# Altium PCB 一体板.PcbDoc (part 3 of 3)
Units mm, origin at the board's own origin, x right, y up, seen from the top; angles counter-clockwise.
Board outline 89.79 x 81.41 mm, 2 copper layers (Top Layer, Bottom Layer); 139 components, 96 nets, 464 pads, 108 vias.
Unrouted connection lines stored in the file: 2.
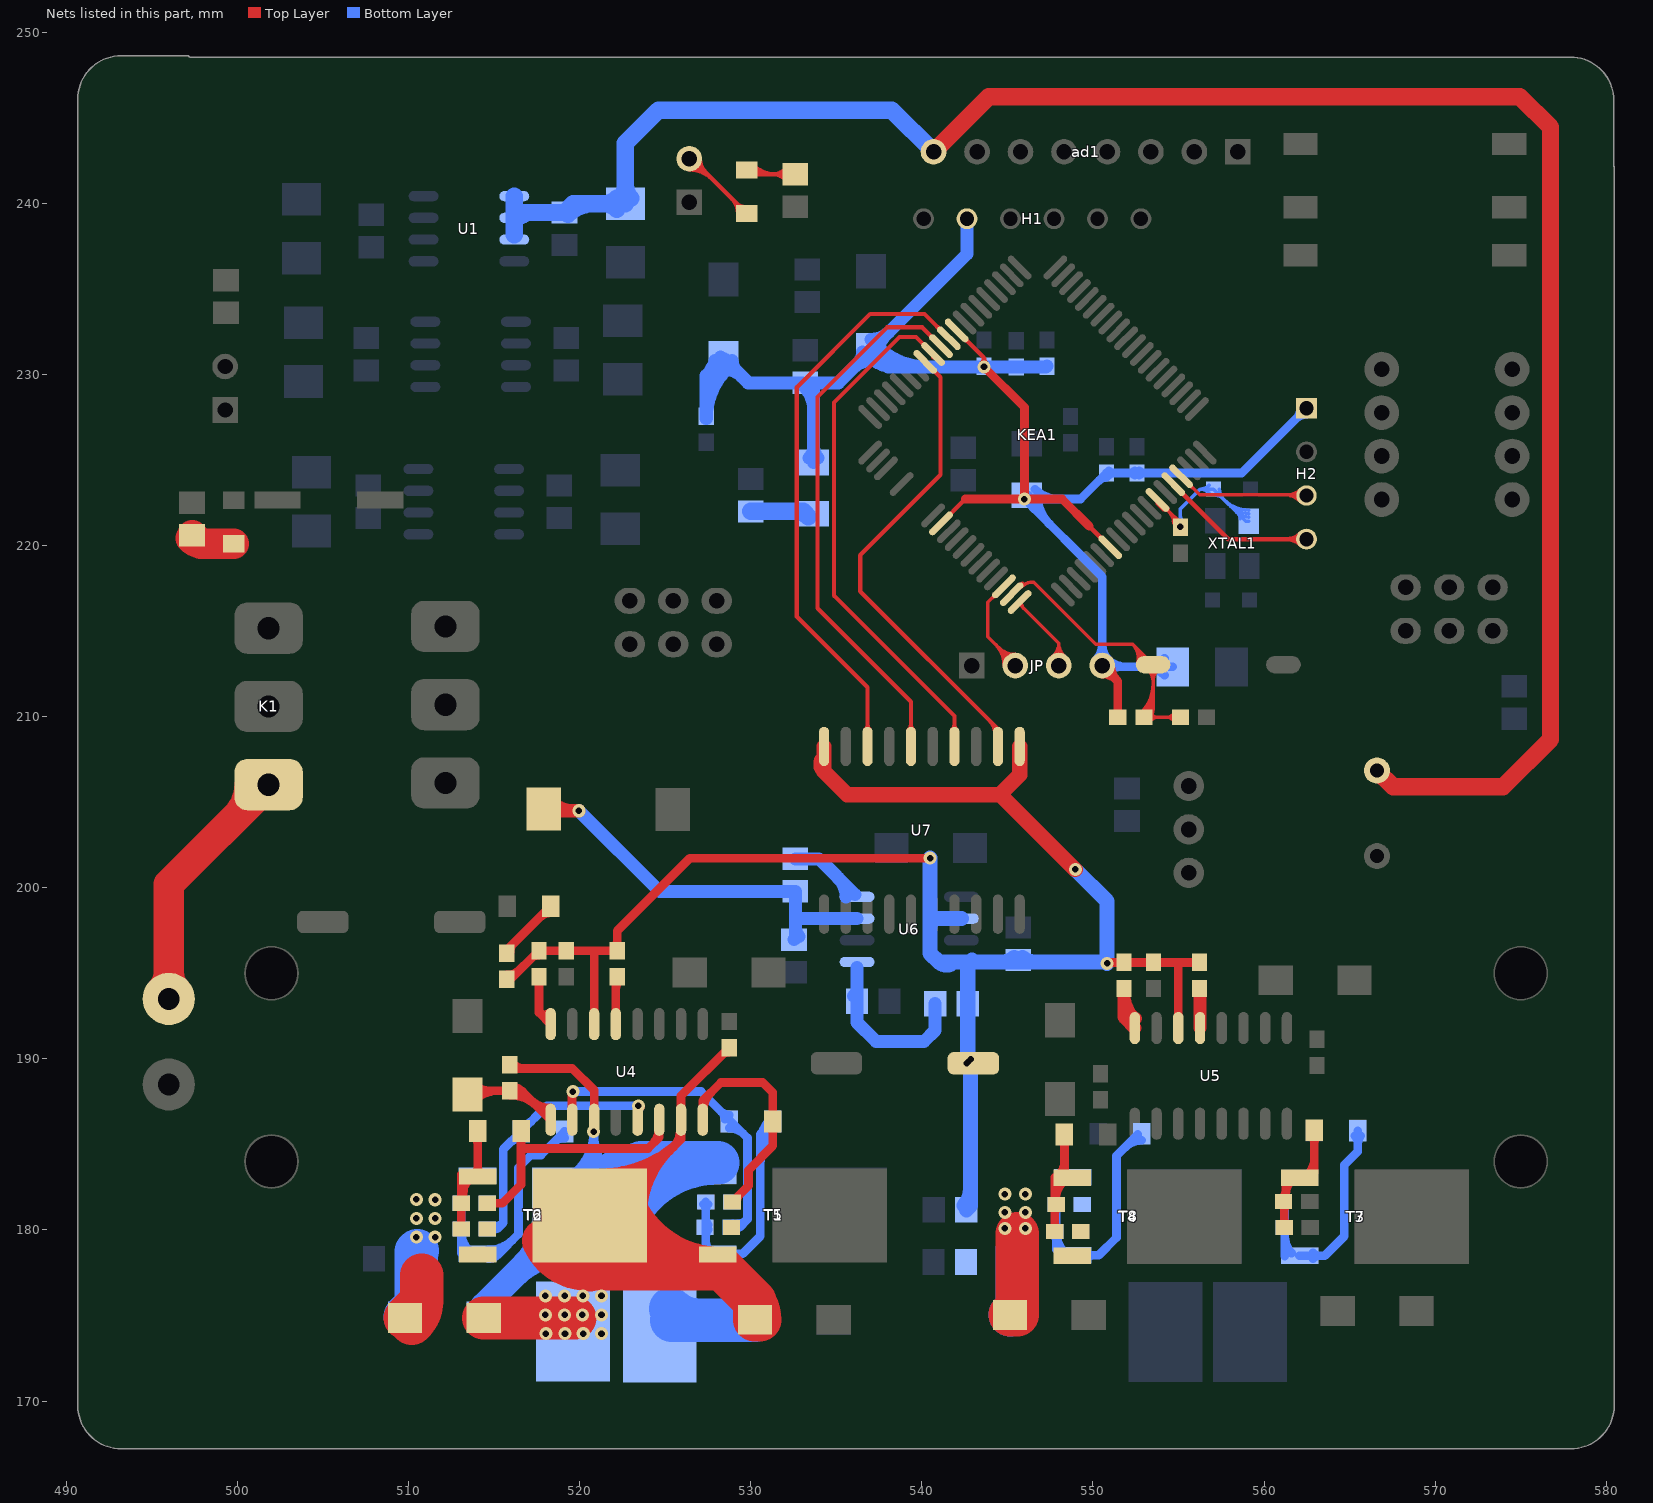
[diagram p3: the nets of this part, all layers, seen from the top]

## Via types
v1: diameter 0.762, hole 0.381, Top Layer to Bottom Layer, 106 vias
v2: diameter 0.9, hole 0.9, Top Layer to Bottom Layer, 2 vias

## Nets (pads, with @x,y where several pads share a name; then routed paths per layer and width w, separated by ;. In a path a pad name is that pad's centre, name@x,y a point inside that pad or via, vN(x,y) a via of type N, cw(c..) or ccw(c..) an arc to the next point about the centre after c; other vN are vias at no path point) (continued)
NetD8_2: D8.2 R16.1 R18.2 T2.1 | length 11.8
  Top Layer w0.508: R18.2@512.945,180.195 ccw(c512.62,180.521) 513.08,180.521 ccw(c513.54,180.521) R18.2@513.215,180.195 ; R16.1@512.945,181.424 cw(c512.62,181.099) 513.08,181.099 cw(c513.54,181.099) R16.1@513.215,181.424 ; R16.1@512.945,181.694 ccw(c512.62,182.019) 513.08,182.019 ccw(c513.54,182.019) R16.1@513.215,181.694 ; R18.2@513.08,180.061 R16.1@513.08,181.559 T2.1@513.08,183.261 ; R16.1@513.08,181.769 cw(c514.781,181.769) T2.1@513.578,182.972 ; 513.223,182.303 ccw(c514.049,182.082) R16.1@513.308,181.654 ; D8.2@513.866,185.469 cw(c513.432,185.035) 514.045,185.035 cw(c514.658,185.035) D8.2@514.225,185.469 ; T2.1@513.891,183.284 ccw(c513.517,183.658) 514.045,183.658 ; T2.1@514.045,183.13 D8.2@514.045,185.776 ; 514.045,183.665 ccw(c514.584,183.665) T2.1@514.203,183.284
NetD10_2: D10.2 R19.1 R21.2 T3.1 | length 10.1
  Top Layer w0.508: R21.2@561.053,180.272 ccw(c560.728,180.597) 561.188,180.597 ccw(c561.648,180.597) R21.2@561.322,180.272 ; R19.1@561.066,181.796 ccw(c560.587,182.274) 561.264,182.274 ; R21.2@561.188,180.137 R19.1@561.188,181.661 ; 561.188,181.17 cw(c561.691,181.17) R19.1@561.335,181.526 ; R19.1@561.264,181.635 T3.1@561.264,183.159 ; R19.1@561.264,182.061 cw(c562.444,182.061) T3.1@561.609,182.896 ; T3.1@562.547,183.208 ccw(c561.597,184.158) 562.94,184.158 ; D10.2@562.761,185.52 cw(c562.327,185.086) 562.94,185.086 cw(c563.553,185.086) D10.2@563.12,185.52 ; T3.1@562.94,183.337 D10.2@562.94,185.826
NetD11_2: D11.2 R20.1 R22.2 T4.1 | length 10
  Top Layer w0.508: R22.2@547.642,180.043 ccw(c547.316,180.368) 547.776,180.368 ccw(c548.236,180.368) R22.2@547.911,180.043 ; R22.2@547.776,179.908 T4.1@547.776,183.083 ; 547.776,180.992 cw(c548.28,180.992) R20.1@547.924,181.348 ; R20.1@547.776,181.57 cw(c549.65,181.57) T4.1@548.325,182.896 ; 547.776,181.974 ccw(c548.28,181.974) R20.1@547.924,181.618 ; T4.1@548.013,183.208 ccw(c547.234,183.987) 548.335,183.987 ; D11.2@548.156,185.266 cw(c547.722,184.832) 548.335,184.832 cw(c548.948,184.832) D11.2@548.515,185.266 ; T4.1@548.335,183.511 D11.2@548.335,185.572
NetD16_2: D16.2 R26.1 R28.2 T5.1 | length 20.5
  Bottom Layer w0.508: R28.2@527.245,181.501 cw(c526.92,181.175) 527.38,181.175 cw(c527.84,181.175) R28.2@527.515,181.501 ; T5.1@527.38,178.74 R28.2@527.38,181.635 ; 527.38,179.322 ccw(c528.172,179.322) T5.1@527.612,178.762 ; 527.38,179.672 cw(c527.883,179.672) R26.1@527.528,180.027 ; 527.38,180.653 ccw(c527.883,180.653) R26.1@527.528,180.297 ; T5.1@528.081,178.606 529.532,178.606 530.555,179.629 530.555,185.598 D16.2@531.292,186.334 ; T5.1@528.862,178.45 cw(c529.239,178.072) 529.239,178.606 cw(c529.239,179.139) T5.1@528.862,178.762 ; 530.555,183.816 cw(c533.683,183.816) D16.2@531.471,186.028 ; 530.555,185.042 cw(c532.457,185.042) D16.2@531.112,186.387 ; 530.641,185.684 cw(c531.292,185.034) D16.2@531.292,185.953
NetD17_2: D17.2 R27.1 R29.2 T6.1 | length 20.5
  Bottom Layer w0.508: R27.1@512.945,179.926 cw(c512.62,179.601) 513.08,179.601 cw(c513.54,179.601) R27.1@513.215,179.926 ; R27.1@512.945,180.195 ccw(c512.62,180.521) 513.08,180.521 ccw(c513.54,180.521) R27.1@513.215,180.195 ; R29.2@512.945,181.424 cw(c512.62,181.099) 513.08,181.099 cw(c513.54,181.099) R29.2@513.215,181.424 ; T6.1@513.08,178.638 R27.1@513.08,180.061 R29.2@513.08,181.559 ; R27.1@513.08,179.936 ccw(c514.739,179.936) T6.1@513.566,178.763 ; T6.1@514.035,178.606 515.283,178.606 516.433,179.756 516.433,183.642 517.169,184.379 517.754,184.379 D17.2@519.125,185.75 ; T6.1@514.66,178.319 ccw(c514.66,179.132) 515.235,178.558 ; T6.1@514.66,178.827 ccw(c514.66,180.867) 516.102,179.425 ; T6.1@514.816,178.45 cw(c515.193,178.073) 515.193,178.606 cw(c515.193,179.14) T6.1@514.816,178.763 ; 518.475,185.1 cw(c519.125,184.449) D17.2@519.125,185.369
NetD18_2: D18.2 R30.1 R33.2 T7.1 | length 16.9
  Bottom Layer w0.508: R30.1@561.053,180.002 cw(c560.666,179.616) 561.213,179.616 ; R30.1@561.053,180.272 ccw(c560.666,180.658) 561.213,180.658 ; R33.2@561.066,181.526 cw(c560.71,181.17) 561.213,181.17 ; T7.1@561.213,178.46 R33.2@561.213,181.635 ; 561.213,179.605 ccw(c562.567,179.605) T7.1@561.609,178.648 ; T7.1@562.078,178.492 563.556,178.492 564.693,179.629 564.693,183.794 565.48,184.582 D18.2@565.48,185.801 ; T7.1@562.859,178.336 cw(c563.237,177.958) 563.237,178.492 cw(c563.237,179.025) T7.1@562.859,178.648 ; D18.2@565.301,185.494 cw(c564.867,185.061) 565.48,185.061 cw(c566.093,185.061) D18.2@565.66,185.494
NetD19_2: D19.2 R31.1 R34.2 T8.1 | length 16.9
  Bottom Layer w0.508: R31.1@547.705,179.773 cw(c547.349,179.418) 547.853,179.418 ; R31.1@547.705,180.043 ccw(c547.349,180.399) 547.853,180.399 ; R34.2@547.718,181.348 cw(c547.393,181.023) 547.853,181.023 cw(c548.313,181.023) R34.2@547.987,181.348 ; T8.1@547.853,178.841 R34.2@547.853,181.483 ; R31.1@547.853,179.876 ccw(c549.553,179.876) T8.1@548.351,178.673 ; T8.1@548.819,178.517 550.348,178.517 551.383,179.553 551.383,184.328 D19.2@552.628,185.572 ; T8.1@549.601,178.361 cw(c549.978,177.984) 549.978,178.517 cw(c549.978,179.051) T8.1@549.601,178.673 ; 551.902,184.847 cw(c552.856,183.893) D19.2@552.856,185.242
NetF1_1: F1.1 L2.1 | length 4.6
  Bottom Layer w0.254: L2.1@533.222,221.844 L2.1@533.679,221.844
  Bottom Layer w1.016: F1.1@529.996,221.986 533.08,221.986 L2.1@533.222,221.844 ; 532.613,221.986 cw(c532.613,220.916) L2.1@533.369,221.672
NetJP45_2: JP45.2 LED12.2 | length 10
  Top Layer w0.254: JP45.2@526.415,241.972 cw(c526.415,240.1) 527.739,241.424 ; JP45.2@526.415,242.226 cw(c526.415,240.968) 527.305,241.858 ; JP45.2@526.415,242.595 526.567,242.595 LED12.2@529.768,239.395 ; JP45.2@527.038,242.595 ccw(c528.174,242.595) 527.371,241.792 ; 528.901,240.262 cw(c528.033,239.395) LED12.2@529.26,239.395 ; 529.207,239.956 ccw(c529.641,240.389) LED12.2@529.641,239.776 ; LED12.2@529.334,239.829 cw(c528.901,239.395) LED12.2@529.514,239.395
NetK1_1: K1.1 P1.1 | length 18.4
  Top Layer w1.778: P1.1@495.551,193.949 ccw(c494.467,195.033) 496,195.033 ccw(c497.533,195.033) P1.1@496.449,193.949 ; P1.1@496,194.5 496,200.192 K1.1@501.828,206.019 ; 499.931,204.123 ccw(c498.035,206.019) K1.1@500.717,206.019
NetL3_1: L3.1 R9.2 R13.1 U6.7 | length 26.1
  Top Layer w0.762: L3.1@517.906,204.597 518.008,204.495 v1(519.963,204.495) ; L3.1@518.344,204.159 cw(c519.155,203.348) 519.155,204.495 ; L3.1@518.344,205.035 ccw(c519.646,206.337) v1@519.646,204.495
  Bottom Layer w0.762: v1(519.963,204.495) 524.673,199.786 R13.1@532.613,199.786 532.613,197.038 R9.2@532.536,196.962 ; 532.613,197.669 ccw(c533.343,197.669) R9.2@532.827,197.152 ; 532.638,198.196 U6.7@536.219,198.196
NetLED2_2: LED2.2 R32.1 | length 5.1
  Top Layer w0.508: R32.1@515.747,196.164 515.747,196.342 LED2.2@518.312,198.907 ; R32.1@515.938,196.228 cw(c516.673,196.228) 516.153,196.748 ; 517.662,198.257 cw(c518.312,197.607) LED2.2@518.312,198.526
NetLED12_1: 1K.1 LED12.1 | length 7.2
  Top Layer w0.254: LED12.1@529.768,241.935 530.012,241.691 1K.1@532.613,241.691 ; LED12.1@529.985,242.025 ccw(c530.79,242.83) 530.79,241.691 ; LED12.1@530.164,242.204 ccw(c531.403,243.443) 531.403,241.691 ; 1K.1@532.143,241.321 ccw(c531.25,240.429) 531.25,241.691 ccw(c531.25,242.954) 1K.1@532.143,242.061
NetLED\_2: LED\.2 R54.2 | length 3.5
  Top Layer w1.778: R54.2@497.288,220.42 ccw(c498.082,221.214) R54.2@498.082,220.091 ; R54.2@497.357,220.589 497.855,220.091 LED\.2@499.796,220.091
NetR6_2: R6.2 U4.5 | length 3.3
  Top Layer w0.508: U4.5@522.122,192.024 R6.2@522.122,194.716 ; 522.122,194.085 cw(c522.842,194.085) R6.2@522.333,194.594
NetR8_2: R8.2 U4.8 | length 4.5
  Top Layer w0.508: R8.2@517.492,194.594 cw(c517.167,194.269) 517.627,194.269 cw(c518.087,194.269) R8.2@517.761,194.594 ; R8.2@517.627,194.767 517.627,192.71 ; U4.8@518.278,192.696 cw(c517.959,193.042) 517.627,192.71 ; U4.8@518.312,192.024 517.627,192.71
NetR10_2: R10.2 U5.5 | length 2.3
  Top Layer w0.762: R10.2@556.235,194.107 556.26,194.081 U5.5@556.26,191.795
NetR11_2: R11.2 R12.2 U6.5 | length 10.6
  Bottom Layer w0.762: R11.2@536.019,193.66 ccw(c535.535,194.144) 536.219,194.144 ; R11.2@536.209,193.37 536.209,192.136 537.337,191.008 540.131,191.008 540.781,191.658 R12.2@540.781,193.218 ; R11.2@536.219,193.38 536.219,195.326
NetR13_2: R13.2 U6.8 | length 5.6
  Bottom Layer w0.762: R13.2@532.613,201.686 533.999,201.686 U6.8@536.092,199.593 ; 535.135,200.55 cw(c534.051,199.466) U6.8@535.584,199.466
NetR14_2: R14.2 U5.8 | length 4.9
  Top Layer w0.762: R14.2@551.815,193.779 ccw(c553.799,193.779) U5.8@552.396,192.377 ; R14.2@551.815,194.107 551.815,192.43 ; U5.8@552.45,191.795 551.815,192.43 ; U5.8@552.493,192.368 cw(c552.192,192.807) 551.815,192.43
PGND1: D15.1 D23.1 R22.1 R25.2 R34.1 T4.3 T8.3 | length 9.2
  Top Layer w2.54: D15.1@545.16,175.031 545.592,175.031 545.592,179.781
  Bottom Layer w2.54: D23.1@545.16,175.031 545.592,175.463 545.592,178.867
  other v1: 544.855,180.086 546.049,180.086 544.855,181.026 546.049,181.026 544.855,182.093 546.049,182.093
PGND2: D13.1 D21.1 R18.1 R23.2 R29.1 T2.3 T6.3 | length 10
  Top Layer w2.54: D13.1@509.803,174.854 510.769,175.819 ; D13.1@510.185,174.553 ccw(c509.105,175.819) 510.769,175.819 ; D13.1@510.208,174.574 ccw(c508.854,175.928) 510.769,175.928 ; 510.769,177.343 510.769,175.819
  Bottom Layer w2.54: D21.1@509.803,174.93 510.464,175.59 510.464,178.74 R23.2@510.515,178.791
  other v1: 510.464,179.578 511.556,179.578 510.464,180.67 511.556,180.67 511.556,181.762 510.464,181.788
R_AHB: C18.1 D5.2 U4.9 | length 13.4
  Top Layer w0.508: D5.2@513.692,188.138 C18.1@515.925,188.138 516.611,188.138 U4.9@518.312,186.436 ; D5.2@513.9,187.592 cw(c515.217,186.276) 515.217,188.138 ; D5.2@513.9,188.471 ccw(c514.704,189.274) 514.704,188.138 ; C18.1@515.79,188.003 ccw(c515.465,187.678) 515.465,188.138 ccw(c515.465,188.598) C18.1@515.79,188.273 ; C18.1@515.925,187.884 cw(c515.925,185.615) 517.529,187.219 ; C18.1@515.925,188.392 cw(c515.925,187.349) 516.662,188.086 ; C18.1@516.06,188.003 cw(c516.385,187.678) 516.385,188.138 cw(c516.385,188.598) C18.1@516.06,188.273 ; 517.142,187.607 ccw(c518.312,188.777) U4.9@518.312,187.122 ; U4.9@518.009,186.74 ccw(c518.312,187.043) U4.9@518.312,186.614
R_AHO: D16.1 R26.2 U4.10 | length 22.1
  Top Layer w0.508: U4.10@519.557,186.461 v1@519.557,188.087 ; 519.557,187.658 cw(c520.037,187.658) v1@519.698,187.997
  Bottom Layer w0.508: v1(519.608,188.087) 527.101,188.087 529.819,185.369 529.819,180.619 ; D16.1@528.275,186.913 ccw(c528.752,187.39) D16.1@528.752,186.715 ; D16.1@528.336,186.852 cw(c527.946,186.461) D16.1@528.498,186.461 ; D16.1@528.752,185.953 cw(c528.752,184.788) 529.576,185.612 ; R26.2@528.853,180.162 529.361,180.162 529.819,180.619 ; R26.2@528.951,180.35 ccw(c529.128,181.31) 529.819,180.619
R_AHS: C18.2 D20.1 D21.2 P6.1 R28.1 T5.3 T6.2 U4.11 | length 74.6
  Top Layer w0.508: C18.2@515.95,189.433 519.582,189.433 520.852,188.163 U4.11@520.852,186.436 ; C18.2@516.06,189.733 ccw(c516.783,190.457) 516.783,189.433
  Bottom Layer w0.508: T6.2@519.29,183.021 ccw(c517.635,185.75) v1(520.827,185.75) ; T6.2@519.554,182.586 ccw(c518.182,184.848) 520.827,184.848 ; T6.2@519.817,182.152 ccw(c518.729,183.946) 520.827,183.946 ; T6.2@520.827,181.129 v1(520.827,185.75) ; 520.827,184.654 ccw(c523.777,184.654) T6.2@521.87,182.403 ; T6.2@522.198,182.791 cw(c524.706,185.75) v1(520.827,185.75)
  Bottom Layer w1.524: D21.2@514.403,174.93 514.403,175.567 T6.2@519.722,180.886 ; D21.2@514.641,174.93 cw(c516.755,174.93) 515.261,176.425 ; 516.143,177.307 cw(c519.985,173.466) T6.2@519.985,178.898 ; 516.776,177.94 ccw(c513.83,180.886) T6.2@517.997,180.886
  Bottom Layer w2.54: T6.2@520.214,181.312 cw(c524.206,179.563) 524.206,183.921 ; T6.2@520.585,180.886 520.827,181.129 523.62,183.921 ; T6.2@522.54,180.293 cw(c528.091,177.861) 528.091,183.921 523.62,183.921 ; T6.2@522.652,181.078 cw(c526.024,181.517) 523.619,183.921 ; P6.1@525.316,175.406 ccw(c526.957,177.046) 526.957,174.727 ; P6.1@525.399,174.727 D20.1@530.25,174.727
R_ALO: D17.1 R27.2 U4.13 | length 18.6
  Top Layer w0.508: U4.13@523.392,186.436 U4.13@523.392,187.249 ; U4.13@523.392,186.82 cw(c523.872,186.82) U4.13@523.533,187.159
  Bottom Layer w0.508: R27.2@514.604,180.061 515.188,180.061 515.544,180.416 ; R27.2@514.734,180.239 ccw(c515.001,180.959) 515.544,180.416 ; R27.2@514.802,179.926 cw(c515.127,179.601) 515.127,180.061 cw(c515.127,180.521) R27.2@514.802,180.195 ; 515.935,185.1 cw(c516.585,184.449) D17.1@516.585,185.369 ; D17.1@516.585,186.131 ccw(c516.585,187.051) 517.236,186.401 ; v1(523.443,187.249) 518.084,187.249 D17.1@516.585,185.75 515.544,184.709 515.544,180.416
R_BHO: D7.1 R15.2 U4.16 | length 16.7
  Top Layer w0.508: U4.16@527.202,186.436 527.202,187.554 528.269,188.62 530.708,188.62 531.292,188.036 D7.1@531.292,186.334 531.292,184.912 529.869,183.49 529.869,182.575 R15.2@528.93,181.635 ; U4.16@527.253,187.071 cw(c528.541,187.071) 527.63,187.982 ; R15.2@529.184,181.635 cw(c529.797,181.635) R15.2@529.363,182.069 ; D7.1@531.112,186.028 cw(c530.679,185.594) 531.292,185.594 cw(c531.905,185.594) D7.1@531.471,186.028 ; D7.1@531.112,186.641 ccw(c530.679,187.075) 531.292,187.075 ccw(c531.905,187.075) D7.1@531.471,186.641
R_BHS: C16.2 D12.1 D13.2 P5.1 R17.1 T1.3 T2.2 U4.15 | length 83.3
  Top Layer w0.508: T2.2@521.2,181.82 ccw(c521.21,184.836) T2.2@523.343,182.703 ; T2.2@521.202,182.328 ccw(c521.216,186.557) 524.206,183.566 ; T2.2@521.203,182.836 ccw(c521.222,188.277) 525.069,184.43 ; T2.2@521.205,183.344 ccw(c521.227,189.998) 525.932,185.293 ; T2.2@521.487,180.848 525.932,185.293 ; T2.2@522.677,180.848 cw(c525.548,180.848) T2.2@523.518,182.878 ; T2.2@523.185,180.848 cw(c527.283,180.848) 524.385,183.746 ; T2.2@523.693,180.848 cw(c529.017,180.848) 525.252,184.613 ; 525.486,184.847 ccw(c524.533,185.801) U4.15@525.882,185.801 ; C16.2@528.318,190.219 cw(c528.752,189.785) C16.2@528.752,190.398 ; C16.2@528.752,190.652 525.932,187.833 U4.15@525.932,186.436 525.932,185.293
  Top Layer w2.54: D13.2@514.403,174.854 519.709,174.854 ; T2.2@517.919,179.359 ccw(c520.458,180.512) 520.458,177.724 ; T2.2@519.659,179.703 cw(c518.04,177.724) 520.597,177.724 ; T2.2@520.232,180.41 ccw(c524.402,182.304) 524.402,177.724 ; 520.597,177.667 cw(c522.589,177.667) T2.2@521.79,179.492 ; T2.2@520.597,180.848 520.597,177.724 ; T2.2@521.534,179.703 ccw(c523.154,177.724) 520.597,177.724 ; T2.2@522.544,181.46 ccw(c528.345,184.095) 528.345,177.724 ; 529.957,176.112 cw(c528.597,174.752) D12.1@530.52,174.752 ; D12.1@530.25,174.752 530.25,175.819 528.345,177.724 ; 520.597,177.724 528.345,177.724
  other v1: 518.033,173.939 519.151,173.939 520.217,173.939 521.284,173.939 518.008,175.031 519.125,175.031 520.167,175.031 521.284,175.031 518.008,176.149 519.125,176.149 520.192,176.149 521.284,176.149
R_BLO: D8.1 R16.2 U4.14 | length 17.4
  Top Layer w0.508: R16.2@514.604,181.559 515.493,181.559 516.585,182.651 516.585,184.76 ; R16.2@514.802,181.424 cw(c515.127,181.099) 515.127,181.559 cw(c515.127,182.019) R16.2@514.802,181.694 ; D8.1@516.406,185.469 cw(c515.972,185.035) 516.585,185.035 cw(c517.198,185.035) D8.1@516.765,185.469 ; D8.1@516.585,185.776 516.585,184.76 ; 524.306,185.064 ccw(c523.569,185.801) U4.14@524.612,185.801 ; U4.14@524.662,186.436 524.662,185.42 524.002,184.76 516.585,184.76
RESET: C14.2 K4.1 KEA1.79 R7.1 | length 27.8
  Top Layer w0.203: KEA1.79@545.753,217.744 ccw(c545.753,217.943) 545.894,217.802 ; KEA1.79@545.822,217.576 cw(c546.499,216.899) 546.499,217.856 ; 546.532,217.856 547.44,216.948 549.256,215.132 550.164,214.224 552.323,214.224 ; 552.572,213.974 cw(c551.918,213.32) K4.1@552.812,213.082 ; K4.1@552.616,213.134 ccw(c551.524,213.425) 552.323,214.224 ; R7.1@552.804,210.199 ccw(c551.085,211.919) 553.517,211.919 ; 552.822,213.725 cw(c552.312,213.215) K4.1@553.009,213.03 ; R7.1@552.948,210.055 ccw(c551.575,211.428) 553.517,211.428 ; R7.1@553.092,209.911 ccw(c552.066,210.938) 553.517,210.938 ; K4.1@553.229,212.742 cw(c552.536,212.049) 553.517,212.049 cw(c554.498,212.049) K4.1@553.804,212.742 ; R7.1@553.235,209.768 ccw(c552.556,210.447) 553.517,210.447 ; R7.1@553.289,209.714 cw(c553.875,209.129) 553.875,209.956 cw(c553.875,210.784) R7.1@553.289,210.199 ; C14.2@554.811,209.714 ccw(c554.226,209.129) 554.226,209.956 ccw(c554.226,210.784) C14.2@554.811,210.199 ; C14.2@555.117,209.956 R7.1@552.983,209.956 ccw(c552.983,210.49) 553.517,210.49 K4.1@553.517,213.03 552.323,214.224
RX: H2.3 KEA1.17 | length 11.2
  Top Layer w0.203: KEA1.17@555.154,224.042 556.235,222.961 562.438,222.961 H2.3@562.483,222.916 ; KEA1.17@555.649,223.448 cw(c555.649,223.211) 555.817,223.379 cw(c555.985,223.547) KEA1.17@555.748,223.547 ; 561.178,222.961 cw(c561.178,221.61) H2.3@562.133,222.566 ; 561.397,222.961 ccw(c561.397,224.002) H2.3@562.133,223.266 ; 561.668,222.961 cw(c561.668,222.101) H2.3@562.276,222.709 ; 561.887,222.961 ccw(c561.887,223.511) H2.3@562.276,223.122
SGND: C10.1 C17.1 C20.2 C22.2 R6.1 R8.1 R10.1 R12.1 R14.1 R24.2 R32.2 U4.6 U5.6 U6.2 U6.4 U7.1 U7.10 | length 118.3
  Top Layer w0.508: R32.2@515.747,194.64 515.95,194.64 R8.1@517.627,196.317 C10.1@519.227,196.317 R6.1@522.199,196.317 522.199,197.485 526.44,201.727 v1(540.487,201.727) ; R32.2@515.747,194.894 ccw(c515.747,195.998) 516.527,195.217 ; R8.1@517.193,195.883 cw(c517.627,195.449) R8.1@517.627,196.063 ; R8.1@517.761,196.182 cw(c518.087,195.857) 518.087,196.317 cw(c518.087,196.777) R8.1@517.761,196.451 ; C10.1@519.092,196.182 ccw(c518.767,195.857) 518.767,196.317 ccw(c518.767,196.777) C10.1@519.092,196.451 ; C10.1@519.362,196.182 cw(c519.687,195.857) 519.687,196.317 cw(c519.687,196.777) C10.1@519.362,196.451 ; U4.6@520.852,192.024 520.852,196.291 ; R6.1@522.064,196.182 ccw(c521.739,195.857) 521.739,196.317 ccw(c521.739,196.777) R6.1@522.064,196.451 ; R6.1@522.064,196.515 ccw(c521.739,196.84) 522.199,196.84 ccw(c522.659,196.84) R6.1@522.333,196.515 ; v1(550.824,195.58) 550.875,195.631 R14.1@551.815,195.631 C17.1@553.542,195.631 R10.1@556.235,195.631 ; v1@550.914,195.49 cw(c551.254,195.151) 551.254,195.631 ; R14.1@551.68,195.496 ccw(c551.355,195.171) 551.355,195.631 ccw(c551.355,196.091) R14.1@551.68,195.766 ; R14.1@551.95,195.496 cw(c552.275,195.171) 552.275,195.631 cw(c552.275,196.091) R14.1@551.95,195.766 ; C17.1@553.407,195.496 ccw(c553.082,195.171) 553.082,195.631 ccw(c553.082,196.091) C17.1@553.407,195.766 ; C17.1@553.677,195.496 cw(c554.002,195.171) 554.002,195.631 cw(c554.002,196.091) C17.1@553.677,195.766 ; U5.6@554.99,191.795 554.99,195.555 ; R10.1@556.1,195.496 ccw(c555.775,195.171) 555.775,195.631 ccw(c555.775,196.091) R10.1@556.1,195.766
  Top Layer w0.889: U7.10@534.144,207.402 ccw(c535.295,207.402) 534.481,206.589 ; U7.10@534.156,207.458 ccw(c534.727,207.219) 534.289,206.781 ; U7.10@534.289,208.252 534.289,206.781 ; U7.1@545.719,208.252 545.719,206.578 544.576,205.435 ; v1(548.97,201.066) 548.945,201.066 544.576,205.435 ; 534.289,206.781 535.635,205.435 544.576,205.435
  Bottom Layer w0.889: v1(540.487,201.727) 540.487,197.891 ; 540.802,195.849 ccw(c541.604,196.651) U6.4@541.604,195.516 ; U6.4@541.659,195.528 cw(c541.422,196.083) 540.995,195.656 ; U6.2@542.315,198.196 540.791,198.196 540.487,197.891 ; R24.2@542.46,181.424 ccw(c541.52,182.363) 542.849,182.363 ; R24.2@542.605,181.178 542.849,181.422 v1(542.849,189.967) ; v1(542.62,189.738) v1(542.681,189.799) R12.1@542.681,193.218 U6.4@542.681,195.504 ; v1@542.665,189.783 cw(c542.222,189.339) 542.849,189.339 ; 542.681,195.16 cw(c543.523,195.16) U6.4@542.928,195.755 ; 544.765,195.656 ccw(c544.765,196.551) C20.2@545.397,195.918 ; C20.2@545.888,195.918 ccw(c546.521,196.551) 546.521,195.656 ; v1(548.97,201.066) 550.824,199.212 v1(550.824,195.58) ; v1@550.647,195.707 550.596,195.656 U6.4@542.315,195.656 540.995,195.656 ; 540.487,197.891 540.487,196.164 540.995,195.656
SWD_CLK: JP.2 KEA1.78 | length 10.2
  Top Layer w0.203: KEA1.78@544.205,217.115 cw(c543.967,217.115) 544.135,216.947 cw(c544.303,216.779) KEA1.78@544.303,217.017 ; 544.304,214.216 cw(c543.067,212.979) JP.2@544.817,212.979 ; 544.488,214.032 ccw(c545.465,215.009) JP.2@545.465,213.627 ; 544.651,213.869 cw(c543.761,212.979) JP.2@545.02,212.979 ; KEA1.78@544.798,217.61 543.865,216.677 543.865,214.655 545.465,213.055 JP.2@545.465,212.979 ; 544.835,213.685 ccw(c545.465,214.315) JP.2@545.465,213.424
SWD_DIO: JP.3 KEA1.80 | length 8.1
  Top Layer w0.203: KEA1.80@545.717,216.691 545.717,216.562 548.005,214.274 ; KEA1.80@545.816,216.691 ccw(c546.364,216.691) 545.976,216.303 ; JP.3@547.616,213.498 ccw(c547.035,214.274) 548.005,214.274 ; JP.3@547.738,213.335 ccw(c547.339,213.868) 548.005,213.868 ccw(c548.671,213.868) JP.3@548.272,213.335 ; JP.3@548.005,212.979 548.005,214.274 ; JP.3@548.394,213.498 cw(c548.975,214.274) 548.005,214.274
TPM2_CH1: KEA1.53 U7.2 | length 28.8
  Top Layer w0.254: KEA1.53@540.202,230.727 541.096,229.833 541.096,224.13 536.397,219.431 536.397,217.322 544.449,209.271 U7.2@544.449,208.252 ; 544.035,209.685 cw(c543.452,209.102) U7.2@544.276,209.102
TPM2_CH2: KEA1.52 U7.4 | length 31.7
  Top Layer w0.254: KEA1.52@540.662,230.99 KEA1.52@540.662,231.186 539.667,232.181 538.701,232.181 534.873,228.353 534.873,217.068 541.909,210.033 U7.4@541.909,208.252 ; U7.4@541.787,209.225 ccw(c541.491,209.52) 541.909,209.52 ccw(c542.327,209.52) U7.4@542.031,209.225
TPM2_CH3: KEA1.51 U7.6 | length 32.7
  Top Layer w0.254: U7.6@539.247,209.225 ccw(c538.951,209.52) 539.369,209.52 ccw(c539.787,209.52) U7.6@539.491,209.225 ; U7.6@539.369,208.252 539.369,210.871 533.908,216.332 533.908,228.676 537.972,232.74 540.027,232.74 KEA1.51@541.121,231.646
TPM2_CH4: KEA1.50 U7.8 | length 34.6
  Top Layer w0.254: U7.8@536.707,209.225 ccw(c536.411,209.52) 536.829,209.52 ccw(c537.247,209.52) U7.8@536.951,209.225 ; U7.8@536.829,208.252 536.829,211.709 532.689,215.849 532.689,229.235 536.981,233.528 540.159,233.528 KEA1.50@541.581,232.106
TX: H2.4 KEA1.16 | length 11
  Top Layer w0.254: KEA1.16@554.694,223.581 557.909,220.366 H2.4@562.483,220.366 ; H2.4@562.142,220.025 ccw(c561.318,219.201) 561.318,220.366 ccw(c561.318,221.531) H2.4@562.142,220.707
VDD: C2.1 C6.2 C7.2 C8.2 C11.2 C12.2 C15.2 D1.2 D2.2 H1.2 H2.1 JP.4 KEA1.8 KEA1.49 KEA1.70 L1.2 L2.2 R2.1 R7.2 | length 141.4
  Top Layer w0.254: KEA1.70@541.121,221.287 542.542,222.707 ; KEA1.49@542.04,232.565 543.636,230.969 ; v1@543.474,230.624 ccw(c543.188,230.969) 543.636,230.969 ; v1(543.636,230.429) 543.636,230.969 ; v1@543.798,230.624 cw(c544.085,230.969) 543.636,230.969 ; 549.79,221.114 KEA1.8@551.009,219.896
  Top Layer w0.508: 542.542,222.707 v1(545.998,222.707) ; v1(543.636,230.429) 545.998,228.067 v1(545.998,222.707) ; 549.79,221.114 548.197,222.707 v1(545.998,222.707) ; JP.4@550.545,212.483 cw(c550.545,211.286) 551.392,212.132 cw(c552.238,212.979) JP.4@551.041,212.979 ; JP.4@550.545,212.979 551.459,212.065 R7.2@551.459,209.956 ; R7.2@551.325,210.091 ccw(c550.999,210.416) 551.459,210.416 ccw(c551.919,210.416) R7.2@551.594,210.091
  Bottom Layer w0.203: v1(543.636,230.429) cw(c543.759,230.306) C11.2@543.759,230.48
  Bottom Layer w0.508: L1.2@546.252,222.933 ccw(c547.411,222.933) 546.592,222.114 ; L1.2@546.615,223.284 ccw(c548.007,224.676) 548.007,222.707 ; L1.2@546.76,222.933 ccw(c549.145,222.933) 547.459,221.247 ; JP.4@550.194,213.33 ccw(c549.348,214.176) 550.545,214.176 ccw(c551.742,214.176) 550.896,213.33 ccw(c551.926,214.36) 551.926,212.903 ; C7.2@550.365,223.798 cw(c550.799,223.364) C7.2@550.799,223.977 ; JP.4@550.896,212.628 cw(c551.558,211.966) 551.558,212.903 ; C7.2@550.934,224.096 cw(c551.259,223.771) 551.259,224.231 cw(c551.259,224.691) C7.2@550.934,224.366 ; C6.2@552.442,224.096 ccw(c552.117,223.771) 552.117,224.231 ccw(c552.117,224.691) C6.2@552.442,224.366 ; C6.2@552.712,224.096 cw(c553.037,223.771) 553.037,224.231 cw(c553.037,224.691) C6.2@552.712,224.366 ; C2.1@554.179,212.409 ccw(c552.986,211.216) 552.986,212.903 ccw(c552.986,214.589) C2.1@554.179,213.397 ; C2.1@554.673,212.903 550.621,212.903 JP.4@550.545,212.979 550.545,218.161 v1(545.998,222.707) 549.275,222.707 C7.2@550.799,224.231 C6.2@552.577,224.231 558.698,224.231 H2.1@562.483,228.016 ; H2.1@562.127,228.016 cw(c561.269,228.016) 561.876,227.409 cw(c562.483,226.802) H2.1@562.483,227.66
  Bottom Layer w0.762: C15.2@527.406,227.404 cw(c531.507,227.404) D2.2@528.753,230.443 ; C15.2@527.406,227.559 527.406,229.918 ; 527.406,229.122 cw(c529.95,229.122) D2.2@528.242,231.008 ; D2.2@527.667,230.179 ccw(c527.037,230.809) D2.2@527.928,230.809 ; D2.2@528.407,230.315 ccw(c528.366,228.958) 527.406,229.918 ; D2.2@528.422,230.315 cw(c528.422,228.821) 529.478,229.878 ; D2.2@528.916,230.809 ccw(c529.806,230.809) D2.2@529.177,230.179 ; R2.1@533.107,229.314 cw(c531.724,227.931) 533.679,227.931 ; L2.2@533.418,225.105 ccw(c532.789,225.734) 533.679,225.734 ccw(c534.57,225.734) L2.2@533.94,225.105 ; L2.2@533.679,224.844 533.679,229.022 R2.1@533.197,229.504 ; 535.976,230.36 cw(c537.032,229.303) D1.2@537.032,230.798 ; D1.2@536.277,230.662 ccw(c535.647,231.292) D1.2@536.538,231.292 ; D1.2@536.843,231.102 ccw(c538.469,232.728) 538.469,230.429 ; D1.2@537.032,232.036 ccw(c537.032,233.53) 538.089,232.474 ; D1.2@537.058,230.798 cw(c537.124,229.532) 538.02,230.429 ; D1.2@537.382,231.641 ccw(c540.308,234.568) 540.308,230.429 ; D1.2@537.526,231.292 ccw(c538.417,231.292) D1.2@537.787,230.662 ; D1.2@537.526,231.542 cw(c538.417,231.542) D1.2@537.787,232.172 ; H1.2@542.646,239.09 542.646,237.03 D1.2@537.032,231.417 ; C12.2@547.319,230.48 547.268,230.429 C8.2@545.516,230.429 v1(543.636,230.429) 538.02,230.429 ; 527.406,229.918 D2.2@528.422,230.934 529.852,229.504 R2.1@533.197,229.504 ; R2.1@533.197,229.504 535.12,229.504 D1.2@537.032,231.417 ; D1.2@537.032,231.417 538.02,230.429
XTAL: C9.1 KEA1.14 R5.1 XTAL1.1 | length 22.2
  Top Layer w0.203: KEA1.14@553.772,222.66 553.772,222.426 554.109,222.09 554.337,222.09 555.117,221.31 v1(555.117,221.082) ; KEA1.14@554.267,222.066 cw(c554.267,221.84) 554.427,222 ; KEA1.14@554.366,222.165 ccw(c554.615,222.165) 554.439,221.988 ; KEA1.14@554.397,222.03 cw(c553.486,221.12) R5.1@554.774,221.12 ; 554.478,221.949 cw(c553.611,221.082) R5.1@554.838,221.082 ; 554.576,221.861 ccw(c555.662,222.152) R5.1@555.152,221.15 ; R5.1@554.694,221.42 ccw(c555.383,221.605) R5.1@555.059,220.968 ; 554.744,221.683 cw(c554.18,221.12) R5.1@554.977,221.12 ; 554.825,221.602 cw(c554.305,221.082) R5.1@555.041,221.082 ; 554.857,221.57 ccw(c555.117,221.831) R5.1@555.117,221.463 ; R5.1@554.875,221.221 ccw(c554.661,221.345) R5.1@554.9,221.409 ; R5.1@554.879,221.526 cw(c554.751,221.049) R5.1@555.243,221.093
  Bottom Layer w0.203: v1@554.919,221.279 ccw(c554.442,221.756) 555.117,221.756 ccw(c555.792,221.756) v1@555.315,221.279 ; v1(555.117,221.082) 555.117,222.148 556.26,223.291 ; C9.1@556.796,223.058 ccw(c556.26,222.559) 556.26,223.291 ; C9.1@556.796,223.525 cw(c556.26,224.024) 556.26,223.291 ; C9.1@557.047,222.948 cw(c557.047,222.121) 557.633,222.706 cw(c558.218,223.291) C9.1@557.39,223.291 ; 557.685,222.653 ccw(c559.117,224.085) XTAL1.1@559.117,222.06 ; 558.032,222.307 ccw(c559.117,223.392) XTAL1.1@559.117,221.857 ; 558.379,221.96 ccw(c559.117,222.698) XTAL1.1@559.117,221.654 ; 558.507,221.831 cw(c558.238,221.562) XTAL1.1@558.619,221.562 ; XTAL1.1@559.117,221.412 558.927,221.412 C9.1@557.047,223.291 556.26,223.291
YUN_5V: 3.1 4.1 6.1 ad1.8 U1.5 U1.6 U1.7 | length 123.5
  Top Layer w1.016: ad1.8@540.69,243.002 543.916,246.228 574.954,246.228 576.743,244.439 576.743,208.672 573.964,205.892 567.548,205.892 6.1@566.598,206.843
  Bottom Layer w1.016: U1.7@516.187,238.15 U1.6@516.187,239.141 ; U1.5@516.187,240.411 U1.6@516.187,239.141 ; U1.6@516.615,239.288 cw(c517.021,238.883) 517.021,239.456 ; 4.1@519.326,239.356 cw(c520.8,237.881) 520.8,239.966 ; 3.1@522.176,239.652 ccw(c521.418,238.893) 521.418,239.966 ccw(c521.418,241.04) 3.1@522.176,240.281 ; 3.1@522.367,240.281 ccw(c521.608,241.04) 522.681,241.04 ccw(c523.754,241.04) 3.1@522.996,240.281 ; ad1.8@540.69,243.002 538.251,245.44 524.612,245.44 522.681,243.51 3.1@522.681,239.966 519.636,239.966 4.1@519.125,239.456 516.502,239.456 U1.6@516.187,239.141
pads on no net: JMU.0 K1.3 K3.3 KEA1.3 KEA1.4 KEA1.5 KEA1.15 KEA1.18 KEA1.19 KEA1.20 KEA1.33 KEA1.34 KEA1.44 KEA1.45 KEA1.46 KEA1.47 KEA1.54 KEA1.55 KEA1.56 KEA1.57 KEA1.58 KEA1.59 KEA1.60 KEA1.61 KEA1.62 KEA1.63 KEA1.65 KEA1.71 KEA1.72 KEA1.73 KEA1.74 KEA1.77 P2.5 P2.6 P4.5 P4.6 U1.8 U2.8 U3.8 U7.3 U7.5 U7.7 U7.9 U7.11 U7.13 U7.15 U7.17 U7.19
copper on no net:
  other v2: 566.023,238.008 570.423,238.008

## Polygon pours and split planes (outlines as drawn)
SGND on Bottom Layer "Bottom Layer-No Net" (hatched 45Degree grid 0.508 track 0.203, remove dead copper, pour order 21): 514.147,210.348 514.147,168.195 514.553,167.48 515.214,166.319 580.492,166.319 580.492,210.527 580.339,210.795 580.161,210.482 514.325,210.482
GND on Bottom Layer "Bottom Layer-No Net" (hatched 45Degree grid 0.508 track 0.203, remove dead copper, pour order 19): 490.499,216.535 508.33,216.535 509.956,214.909 509.219,214.173 509.219,165.811 490.068,165.811 489.763,165.506 490.499,166.243 490.499,216.611
GND on Bottom Layer "Bottom Layer-No Net" (hatched 45Degree grid 0.508 track 0.203, remove dead copper, pour order 17): 530.705,248.691 531.084,248.285 531.084,212.09 581.403,212.09 581.711,211.76 581.711,249.987 531.013,249.987 530.327,249.25 530.563,248.996 530.563,247.726
AGND on Bottom Layer "Bottom Layer-No Net" (hatched 45Degree grid 0.508 track 0.203, remove dead copper, pour order 7): 530.276,249.657 530.276,218.094 490.536,218.094 490.169,217.772 490.169,244.997 490.169,245.335 493.956,248.661 495,249.578 530.276,249.578
GND on Top Layer "Bottom Layer-No Net" (hatched 45Degree grid 0.508 track 0.203, remove dead copper, pour order 15): 489.567,217.288 490.201,216.434 509.143,216.434 509.143,160.553 508.182,159.258 506.849,161.054 491.664,161.054 491.38,161.054 489.851,163.115 489.436,163.674 489.436,166.766 489.436,216.552 489.501,216.64
GND on Top Layer "Bottom Layer-No Net" (hatched 45Degree grid 0.508 track 0.203, remove dead copper, pour order 13): 526.542,248.768 527.025,248.285 527.025,211.988 579.857,211.988 579.933,211.912 580.339,212.319 580.339,243.916 580.339,244.069 577.266,247.142 575.945,248.463 573.049,248.463 527.025,248.463 526.948,248.539
AGND on Top Layer "Bottom Layer-No Net" (hatched 45Degree grid 0.508 track 0.203, remove dead copper, pour order 11): 490.252,218.165 490.407,218.321 523.836,218.321 523.836,218.815 525.34,220.324 525.755,220.74 525.755,249.428 495.205,249.428 495.049,249.272 493.312,247.529 491.574,247.529 491.574,245.761 489.941,244.122 490.252,243.81 490.252,217.983
SGND on Top Layer "Bottom Layer-No Net" (hatched 45Degree grid 0.508 track 0.203, remove dead copper, pour order 5): 514.513,198.356 514.786,197.872 514.786,165.85 580.424,165.85 580.592,166.147 580.319,166.631 580.319,210.681 514.45,210.681

## Keep-outs
Keep-Out Layer:
  lines w0.2: 490.677,242.138 cw(c497.154,242.138) 497.154,248.615 573.964,248.615 cw(c573.964,242.138) 580.441,242.138 ; 490.677,242.392 490.677,173.353 ccw(c496.822,173.353) 496.822,167.208 574.068,167.208 574.092,167.208 ccw(c574.092,173.582) 580.466,173.582 580.466,179.705 580.441,242.392 ; 507.715,236.479 507.715,236.505

## Other copper
Top Layer:
  rectangle net +12V: 536.651,192.126 539.877,193.243
  rectangle net R_BHS: 517.423,173.279 521.868,178.283
  rectangle net PGND2: 509.524,178.714 512.115,182.296
  rectangle net PGND2: 509.499,177.394 515.087,179.019
  rectangle net PGND2: 514.047,178.568 515.137,179.908
  rectangle net R_BHS: 528.371,178.079 529.361,180.061
  rectangle net L_BHS: 550.723,174.142 552.374,175.895
  rectangle net L_BHS: 552.018,173.431 556.489,178.054
  rectangle net PGND1: 546.837,177.444 549.885,178.968
  rectangle net PGND1: 544.297,177.444 546.862,182.575
  rectangle net PGND1: 548.792,178.943 549.885,179.476
  rectangle net L_BHS: 562.204,178.892 563.22,179.705
  text "2018.06.05" at 508.457,244.196 h3
  text "集大.欧拉队" at 516.89,236.906 h3 r270
  text "集美大学" at 513.232,234.569 h3 r270
  text "枼赫那拉志坤" at 505.587,184.887 h3 r270
  text "黄逸芬" at 501.904,179.222 h3 r270
Bottom Layer:
  rectangle net +12V: 537.413,191.897 539.928,194.081
  rectangle net R_AHS: 522.529,176.632 525.755,179.375
  rectangle net PGND2: 509.499,178.384 512.089,182.778
  rectangle net PGND2: 509.499,182.651 515.087,184.201
  rectangle net PGND2: 514.096,181.153 515.112,183.363
  rectangle net R_AHS: 528.396,182.016 529.412,183.642
  rectangle net L_AHS: 556.971,176.149 560.019,179.527
  region net PGND1: 546.862,184.074 544.297,184.074 544.297,178.943 546.862,178.943
  region net PGND1: 549.91,184.074 546.811,184.074 546.811,182.55 549.91,182.55
  rectangle net PGND1: 548.869,181.915 549.91,182.626
  rectangle net L_AHS: 562.153,182.093 563.169,182.601
  rectangle: 504.165,225.374 504.19,225.628
  rectangle net PGND1: 544.601,177.19 544.703,177.343
  rectangle net PGND1: 542.808,177.19 544.703,179.222
  rectangle net 7.2V: 502.006,222.656 504.088,224.333

## Silkscreen, mask and mechanical layers (free items; w line width, h text height)
Top Overlay:
  lines w0.2: 502,184 503,184
  text "F4" at 544.881,244.932 h2
  text "F5" at 547.522,244.907 h2
  text "F6" at 550.088,244.831 h2
  text "F7" at 552.78,244.78 h2
  text "C0" at 555.269,244.78 h2
  text "C1" at 557.936,244.729 h2
  text "I5" at 561.289,244.577 h2
  text "+" at 540.029,244.475 h3
  text "-" at 542.747,244.373 h3
  text "D6" at 575.716,242.849 h2
  text "+" at 541.833,239.852 h3
  text "-" at 539.394,239.649 h3
  text "D7" at 575.97,239.192 h2
  text "I6" at 558.622,239.116 h2
  text "D5" at 558.698,236.398 h2
  text "B5" at 563.651,229.946 h2
  text "B4" at 563.651,227 h2
  text "+" at 559.537,226.949 h3
  text "C2" at 563.753,224.917 h2
  text "-" at 559.46,224.536 h3
  text "C3" at 563.651,221.869 h2
  text "-" at 542.392,214.351 h3
  text "+" at 549.885,214.351 h3
  text "CH4" at 537.134,210.185 h1 r90
  text "CH3" at 539.674,210.083 h1 r90
  text "CH1" at 544.5,209.855 h1 r90
  text "CH2" at 542.112,209.829 h1 r90
  text "+" at 498.551,194.183 h3 r270
  text "-" at 499,187 h3
Top Solder:
  rectangle: 512.039,218.897 521.157,238.15
  rectangle: 508,243.484 523.367,247.066
  text "枼赫那拉志坤" at 505.587,184.887 h3 r270
  text "黄逸芬" at 501.929,179.222 h3 r270

## Text inside footprints (layer, text, board x,y; h text height)
K1: Top Overlay "1" at 505.511,204.114 h1.27 r90
K3: Top Overlay "1" at 515.849,204.216 h1.27 r90
P1: Top Overlay "V" at 493,194 h1.27 r270; Top Overlay "V" at 493,189 h1.27 r270
S1: Top Overlay "1" at 575.259,220.523 h1.27 r90